# KiCad board SparkFun_GNSS_HAT+_panelized.kicad_pcb (continued)
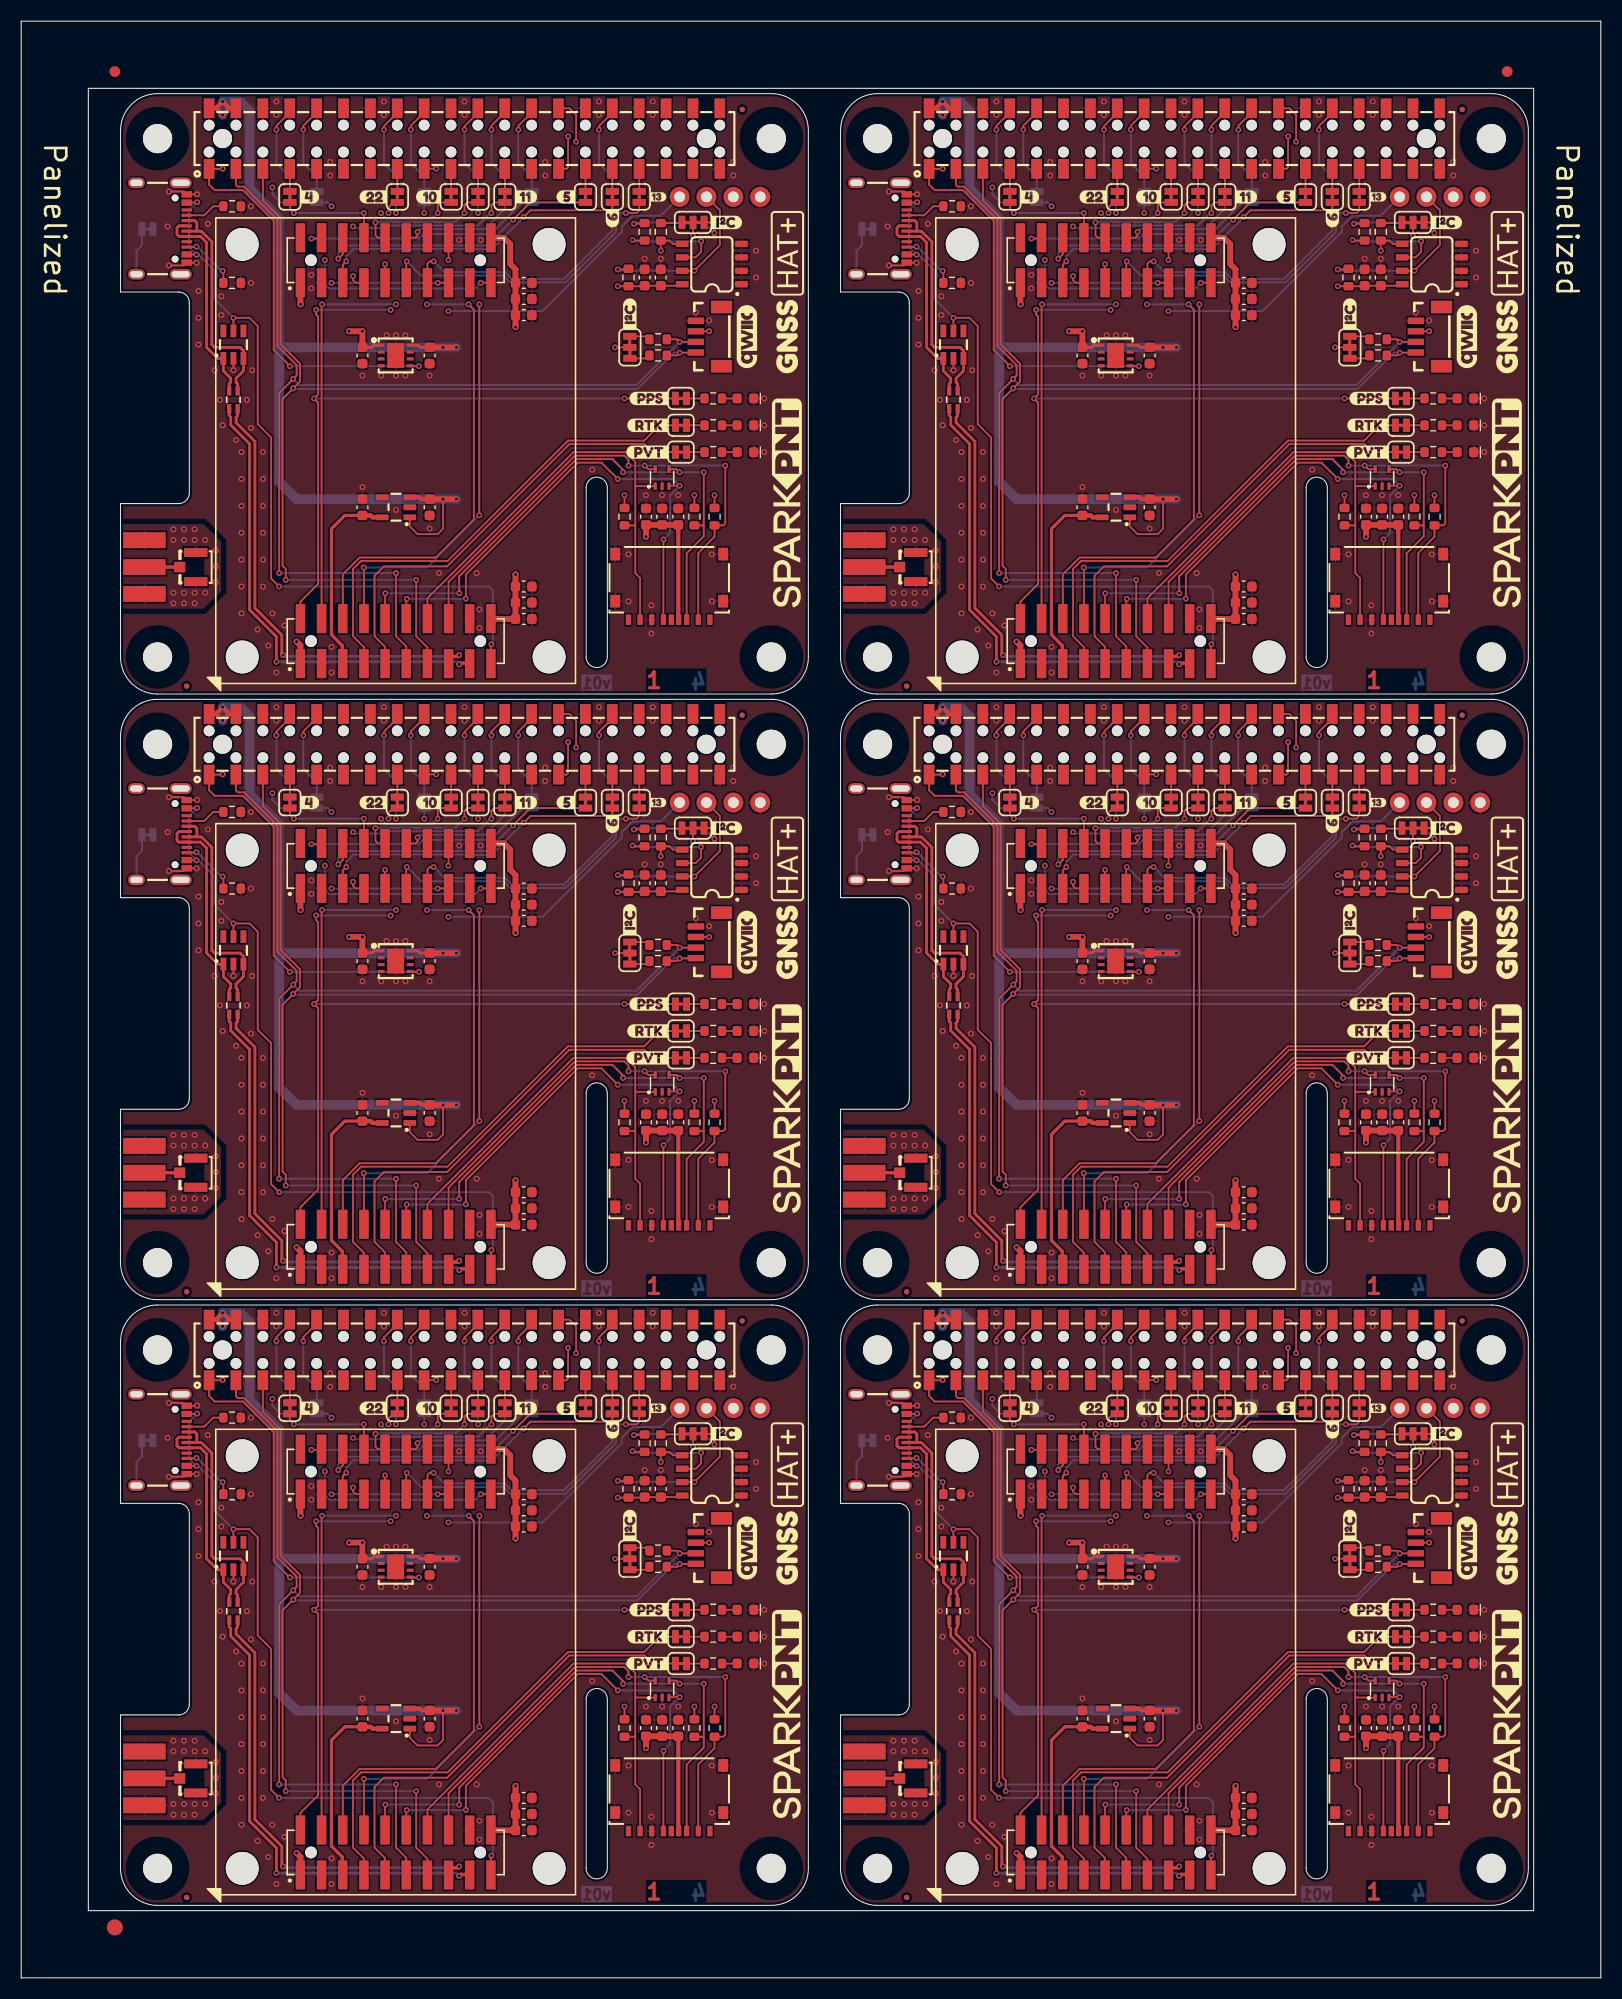
[diagram p0: board, top side]
## Routing (per net, layer and track width the routed paths; a pad name or vN(x,y) marks a point on that pad's centre or on a via; arc(x,y) is an arc through that point) (continued)
TXD1: length 119.1
  Top w0.178: v1(39.36,45.71) 39.38,45.73 J4#2.15 ; v1(39.36,102.96) 39.38,102.97 J4.15 ; v1(39.36,160.21) 39.38,160.22 J4#3.15 ; J4#6.15 107.41,102.97 v1(107.4,102.96) ; J4#4.15 107.41,160.22 v1(107.4,160.21) ; J4#5.15 107.41,45.73 v1(107.4,45.71)
  In2.Cu w0.178: v1(29.33,102.96) v1(29.33,110.2) ; v1(97.37,160.21) v1(97.37,167.45) ; v1(97.37,102.96) v1(97.37,110.2) ; v1(29.33,45.71) v1(29.33,52.95) ; v1(29.33,160.21) v1(29.33,167.45) ; v1(97.37,45.71) v1(97.37,52.95)
  Bottom w0.178: v1(39.36,45.71) v1(29.33,45.71) ; v1(97.37,167.45) 97,167.82 JP5#3.1 ; v1(29.33,52.95) 28.96,53.32 JP5#6.1 ; v1(107.4,102.96) v1(97.37,102.96) ; v1(107.4,45.71) v1(97.37,45.71) ; v1(39.36,102.96) v1(29.33,102.96) ; v1(107.4,160.21) v1(97.37,160.21) ; v1(97.37,52.95) 97,53.32 JP5#4.1 ; JP5#5.1 97,110.57 v1(97.37,110.2) ; JP5.1 28.96,110.57 v1(29.33,110.2) ; JP5#2.1 28.96,167.82 v1(29.33,167.45) ; v1(39.36,160.21) v1(29.33,160.21)
TXD2: length 78.9
  Top w0.178: J4#3.10 33.7,164.47 33.48,164.7 v1(33.48,165.93) ; v1(41.9,166.82) 41.9,167.58 42.14,167.82 JP15.2 ; v1(109.94,52.32) 109.94,53.08 110.18,53.32 JP15#6.2 ; v1(101.52,108.68) 101.52,107.45 101.74,107.22 J4#6.10 ; v1(33.48,108.68) 33.48,107.45 33.7,107.22 J4.10 ; v1(101.52,165.93) 101.52,164.7 101.74,164.47 J4#4.10 ; JP15#5.2 42.14,110.57 41.9,110.33 v1(41.9,109.57) ; J4#5.10 101.74,49.98 101.52,50.2 v1(101.52,51.43) ; JP15#2.2 110.18,110.57 109.94,110.33 v1(109.94,109.57) ; JP15#3.2 42.14,53.32 41.9,53.08 v1(41.9,52.32) ; v1(109.94,166.82) 109.94,167.58 110.18,167.82 JP15#4.2 ; J4#2.10 33.7,49.98 33.48,50.2 v1(33.48,51.43)
  Bottom w0.178: v1(41.9,166.82) 41.05,165.96 33.52,165.96 v1(33.48,165.93) ; v1(41.9,52.32) 41.05,51.46 33.52,51.46 v1(33.48,51.43) ; v1(101.52,51.43) 101.56,51.46 109.09,51.46 v1(109.94,52.32) ; v1(33.48,108.68) 33.52,108.71 41.05,108.71 v1(41.9,109.57) ; v1(109.94,166.82) 109.09,165.96 101.56,165.96 v1(101.52,165.93) ; v1(109.94,109.57) 109.09,108.71 101.56,108.71 v1(101.52,108.68)
TXD3: length 168.3
  Top w0.178: v1(98,162.5) 98.43,162.92 J4#4.6 ; JP11#2.2 48.11,53.32 v1(46.47,51.68) ; JP11#5.2 48.11,167.82 v1(46.47,166.18) ; JP11.2 116.15,53.32 v1(114.51,51.68) ; J4#3.6 30.39,162.92 v1(29.96,162.5) ; J4#6.6 98.43,105.67 v1(98,105.25) ; v1(114.51,166.18) 116.15,167.82 JP11#3.2 ; v1(29.96,105.25) 30.39,105.67 J4.6 ; JP11#6.2 116.15,110.57 v1(114.51,108.93) ; v1(29.96,48) 30.39,48.42 J4#2.6 ; J4#5.6 98.43,48.42 v1(98,48) ; v1(46.47,108.93) 48.11,110.57 JP11#4.2
  Bottom w0.178: v1(114.51,51.68) 112.09,49.25 111.1,49.25 111.08,49.27 111.07,49.25 98.91,49.25 98.89,49.27 98.77,49.27 98,48.51 v1(98,48) ; v1(46.47,166.18) 44.05,163.75 43.06,163.75 43.04,163.77 43.03,163.75 30.87,163.75 30.85,163.77 30.73,163.77 29.96,163.01 v1(29.96,162.5) ; v1(46.47,51.68) 44.05,49.25 43.06,49.25 43.04,49.27 43.03,49.25 30.87,49.25 30.85,49.27 30.73,49.27 29.96,48.51 v1(29.96,48) ; v1(98,162.5) 98,163.01 98.77,163.77 98.89,163.77 98.91,163.75 111.07,163.75 111.08,163.77 111.1,163.75 112.09,163.75 v1(114.51,166.18) ; v1(114.51,108.93) 112.09,106.5 111.1,106.5 111.08,106.52 111.07,106.5 98.91,106.5 98.89,106.52 98.77,106.52 98,105.76 v1(98,105.25) ; v1(29.96,105.25) 29.96,105.76 30.73,106.52 30.85,106.52 30.87,106.5 43.03,106.5 43.04,106.52 43.06,106.5 44.05,106.5 v1(46.47,108.93)
TXD4: length 175.2
  Top w0.178: v1(57.14,52.32) 58.16,52.32 58.41,52.57 JP19#3.2 ; v1(36.44,162.24) 36.39,162.19 J4#3.11 ; v1(125.18,166.82) 126.2,166.82 126.45,167.07 JP19#2.2 ; JP19#4.2 126.45,109.82 126.2,109.57 v1(125.18,109.57) ; v1(57.14,166.82) 58.16,166.82 58.41,167.07 JP19.2 ; J4.11 36.39,104.94 v1(36.44,104.99) ; v1(104.48,104.99) 104.43,104.94 J4#6.11 ; v1(57.14,109.57) 58.16,109.57 58.41,109.82 JP19#5.2 ; J4#4.11 104.43,162.19 v1(104.48,162.24) ; J4#2.11 36.39,47.69 v1(36.44,47.74) ; v1(125.18,52.32) 126.2,52.32 126.45,52.57 JP19#6.2 ; J4#5.11 104.43,47.69 v1(104.48,47.74)
  Bottom w0.178: v1(125.18,109.57) 124.67,109.57 124.24,109.13 124.24,107.78 119.48,103.01 114.25,103.01 113.62,103.65 105.83,103.65 v1(104.48,104.99) ; v1(36.44,47.74) 37.79,46.4 45.58,46.4 46.21,45.76 51.44,45.76 56.2,50.53 56.2,51.88 56.63,52.32 v1(57.14,52.32) ; v1(57.14,109.57) 56.63,109.57 56.2,109.13 56.2,107.78 51.44,103.01 46.21,103.01 45.58,103.65 37.79,103.65 v1(36.44,104.99) ; v1(104.48,162.24) 105.83,160.9 113.62,160.9 114.25,160.26 119.48,160.26 124.24,165.03 124.24,166.38 124.67,166.82 v1(125.18,166.82) ; v1(57.14,166.82) 56.63,166.82 56.2,166.38 56.2,165.03 51.44,160.26 46.21,160.26 45.58,160.9 37.79,160.9 v1(36.44,162.24) ; v1(104.48,47.74) 105.83,46.4 113.62,46.4 114.25,45.76 119.48,45.76 124.24,50.53 124.24,51.88 124.67,52.32 v1(125.18,52.32)
VBACKUP: length 111.4
  Top w0.305: J2#4.5 30.34,124.27 30.34,125.92 29.33,126.94 29.33,136.97 30.59,138.23 C5#6.2 ; C5#4.2 30.59,23.73 29.33,22.47 29.33,12.44 30.34,11.42 30.34,9.77 J2#3.5 ; C5#2.2 98.63,23.73 97.37,22.47 97.37,12.44 98.38,11.42 98.38,9.77 J2#6.5 ; C5#5.2 30.59,80.98 29.33,79.72 29.33,69.69 30.34,68.67 30.34,67.02 30.39,66.98 ; 98.43,66.98 98.38,67.02 98.38,68.67 97.37,69.69 97.37,79.72 98.63,80.98 C5#3.2 ; J2.5 98.38,124.27 98.38,125.92 97.37,126.94 97.37,136.97 98.63,138.23 C5.2
  Top w0.406: U3#6.5 101.24,23.55 101.06,23.73 C5#2.2 ; C5#3.2 101.06,80.98 101.24,80.8 U3#3.5 ; C5#5.2 33.03,80.98 33.2,80.8 U3#2.5 ; 102.16,138.05 101.24,138.05 101.06,138.23 C5.2 ; U3#5.5 33.2,23.55 33.03,23.73 C5#4.2 ; C5#6.2 33.03,138.23 33.2,138.05 34.12,138.05
VUSB: length 429.9
  Top w0.178: 44.39,124.23 44.39,126 v1(44.44,126.05) ; D1#3.5 v1(20.06,99.66) 21.58,99.66 22.36,98.88 22.36,89.61 23.61,88.36 23.61,75.02 v1(24.38,74.26) ; J2#3.19 44.39,11.5 v1(44.44,11.55) ; D1#2.5 v1(20.06,156.91) 21.58,156.91 22.36,156.13 22.36,146.86 23.61,145.61 23.61,132.27 v1(24.38,131.51) ; J6#2.VBUS 84.59,162.9 v1(84.61,162.88) ; J6#6.VBUS 16.6,110.55 v1(16.63,110.58) ; v1(84.67,167.83) 84.64,167.8 J6#2.VBUS ; J6#3.VBUS 84.64,53.3 v1(84.67,53.33) ; v1(92.42,131.51) 91.65,132.27 91.65,145.61 90.4,146.86 90.4,156.13 89.62,156.91 v1(88.1,156.91) D1#4.5 ; v1(92.42,17.01) 91.65,17.77 91.65,31.11 90.4,32.36 90.4,41.63 89.62,42.41 v1(88.1,42.41) D1#5.5 ; v1(112.48,126.05) 112.43,126 112.43,124.23 ; 44.39,66.98 44.39,68.75 v1(44.44,68.8) ; J6#6.VBUS 16.55,105.65 v1(16.57,105.63) ; v1(112.48,11.55) 112.43,11.5 J2#6.19 ; J6#4.VBUS 84.59,105.65 v1(84.61,105.63) ; v1(112.48,68.8) 112.43,68.75 112.43,66.98 ; v1(84.67,110.58) 84.64,110.55 J6#4.VBUS ; v1(16.57,48.38) 16.55,48.4 J6#5.VBUS ; v1(16.63,167.83) 16.6,167.8 J6.VBUS ; D1#6.5 v1(88.1,99.66) 89.62,99.66 90.4,98.88 90.4,89.61 91.65,88.36 91.65,75.02 v1(92.42,74.26) ; J6.VBUS 16.55,162.9 v1(16.57,162.88) ; J6#5.VBUS 16.6,53.3 v1(16.63,53.33) ; v1(24.38,17.01) 23.61,17.77 23.61,31.11 22.36,32.36 22.36,41.63 21.58,42.41 v1(20.06,42.41) D1.5 ; v1(84.61,48.38) 84.59,48.4 J6#3.VBUS
  Bottom w0.178: v1(112.48,126.05) 112.61,126.18 112.61,131.13 112.23,131.51 v1(92.42,131.51) ; v1(112.48,11.55) 112.61,11.68 112.61,16.63 112.23,17.01 v1(92.42,17.01) ; v1(20.06,99.66) 18.28,101.44 18.28,104.11 16.76,105.63 v1(16.57,105.63) 15.87,106.33 15.87,109.82 v1(16.63,110.58) ; v1(44.44,68.8) 44.57,68.93 44.57,73.88 44.19,74.26 v1(24.38,74.26) ; v1(88.1,99.66) 86.32,101.44 86.32,104.11 84.8,105.63 v1(84.61,105.63) 83.91,106.33 83.91,109.82 v1(84.67,110.58) ; v1(84.67,53.33) 83.91,52.57 83.91,49.08 v1(84.61,48.38) 84.8,48.38 86.32,46.86 86.32,44.19 v1(88.1,42.41) ; v1(84.67,167.83) 83.91,167.07 83.91,163.58 v1(84.61,162.88) 84.8,162.88 86.32,161.36 86.32,158.69 v1(88.1,156.91) ; v1(20.06,156.91) 18.28,158.69 18.28,161.36 16.76,162.88 v1(16.57,162.88) 15.87,163.58 15.87,167.07 v1(16.63,167.83) ; v1(44.44,126.05) 44.57,126.18 44.57,131.13 44.19,131.51 v1(24.38,131.51) ; v1(44.44,11.55) 44.57,11.68 44.57,16.63 44.19,17.01 v1(24.38,17.01) ; v1(20.06,42.41) 18.28,44.19 18.28,46.86 16.76,48.38 v1(16.57,48.38) 15.87,49.08 15.87,52.57 v1(16.63,53.33) ; v1(112.48,68.8) 112.61,68.93 112.61,73.88 112.23,74.26 v1(92.42,74.26)
Net-(D1-I/O1): length 120.5
  Top w0.267: J6#4.A6 82.94,108.35 82.76,108.17 82.76,107.53 82.95,107.35 J6#4.B6 84.98,107.35 85.56,106.77 85.56,96.87 86.6,95.82 D1#6.1 87.15,94.64 87.84,93.94 87.84,93.56 87.7,93.42 TR1#6.3 ; TR1#5.3 19.66,93.42 19.8,93.56 19.8,93.94 19.11,94.64 D1#3.1 18.56,95.82 17.52,96.87 17.52,106.77 16.94,107.35 J6#6.B6 14.91,107.35 14.72,107.53 14.72,108.17 14.9,108.35 J6#6.A6 ; TR1#4.3 19.66,150.67 19.8,150.81 19.8,151.19 19.11,151.89 D1#2.1 18.56,153.07 17.52,154.12 17.52,164.02 16.94,164.6 J6.B6 14.91,164.6 14.72,164.78 14.72,165.42 14.9,165.6 J6.A6 ; TR1#3.3 87.7,150.67 87.84,150.81 87.84,151.19 87.15,151.89 D1#4.1 86.6,153.07 85.56,154.12 85.56,164.02 84.98,164.6 J6#2.B6 82.95,164.6 82.76,164.78 82.76,165.42 82.94,165.6 J6#2.A6 ; 87.7,35.51 87.7,36.17 87.84,36.31 87.84,36.7 87.15,37.39 D1#5.1 86.6,38.57 85.56,39.62 85.56,49.52 84.98,50.1 J6#3.B6 82.95,50.1 82.76,50.28 82.76,50.92 82.94,51.1 J6#3.A6 ; J6#5.A6 14.9,51.1 14.72,50.92 14.72,50.28 14.91,50.1 J6#5.B6 16.94,50.1 17.52,49.52 17.52,39.62 18.56,38.57 D1.1 19.11,37.39 19.8,36.7 19.8,36.31 19.66,36.17 19.66,35.51
Net-(D1-I/O2): length 130.4
  Top w0.267: TR1#4.1 20.46,150.67 20.31,150.81 20.31,151.19 21.01,151.89 D1#2.3 21.01,153.8 20.69,154.12 18.28,154.12 18.03,154.37 18.03,164.11 17.03,165.1 16.63,165.1 ; TR1#3.1 88.5,150.67 88.35,150.81 88.35,151.19 89.05,151.89 D1#4.3 89.05,153.8 88.73,154.12 86.32,154.12 86.07,154.37 86.07,164.11 85.07,165.1 84.67,165.1 ; J6#5.B7 16.41,51.6 16.6,51.41 16.6,50.63 16.63,50.6 ; 20.46,35.51 20.46,36.17 20.31,36.31 20.31,36.7 21.01,37.39 D1.3 21.01,39.3 20.69,39.62 18.28,39.62 18.03,39.87 18.03,49.61 17.03,50.6 16.63,50.6 ; 16.63,50.6 J6#5.A7 ; J6#4.B7 84.45,108.85 84.64,108.66 84.64,107.88 84.67,107.85 ; 16.63,107.85 J6#6.A7 ; 16.63,107.85 16.6,107.88 16.6,108.66 16.41,108.85 J6#6.B7 ; 16.63,107.85 17.03,107.85 18.03,106.86 18.03,97.12 18.28,96.87 20.69,96.87 21.01,96.55 D1#3.3 21.01,94.64 20.31,93.94 20.31,93.56 20.46,93.42 TR1#5.1 ; 84.67,107.85 85.07,107.85 86.07,106.86 86.07,97.12 86.32,96.87 88.73,96.87 89.05,96.55 D1#6.3 89.05,94.64 88.35,93.94 88.35,93.56 88.5,93.42 TR1#6.1 ; 84.67,107.85 J6#4.A7 ; J6.B7 16.41,166.1 16.6,165.91 16.6,165.13 16.63,165.1 ; 84.67,50.6 85.07,50.6 86.07,49.61 86.07,39.87 86.32,39.62 88.73,39.62 89.05,39.3 D1#5.3 89.05,37.39 88.35,36.7 88.35,36.31 88.5,36.17 88.5,35.51 ; 84.67,50.6 84.64,50.63 84.64,51.41 84.45,51.6 J6#3.B7 ; 84.67,50.6 J6#3.A7 ; 84.67,165.1 84.64,165.13 84.64,165.91 84.45,166.1 J6#2.B7 ; 84.67,165.1 J6#2.A7 ; 16.63,165.1 J6.A7
Net-(D3-A): length 8.6
  Top w0.178: D3#5.2 R11#3.1 ; D3.2 R11#4.1 ; D3#4.2 R11#5.1 ; D3#6.2 R11.1 ; D3#3.2 R11#6.1 ; D3#2.2 R11#2.1
Net-(D4-A): length 8.6
  Top w0.178: D4.2 R12#5.1 ; D4#2.2 R12#3.1 ; D4#5.2 R12#4.1 ; D4#3.2 R12#2.1 ; D4#4.2 R12.1 ; D4#6.2 R12#6.1
Net-(D5-A): length 8.6
  Top w0.178: D5#3.2 R13#5.1 ; D5#4.2 R13#6.1 ; D5.2 R13#3.1 ; D5#5.2 R13.1 ; D5#6.2 R13#2.1 ; D5#2.2 R13#4.1
Net-(J1-GCLK0/GPIO4): length 12.8
  Top w0.178: J1.7 25.39,113.72 JP10#3.1 ; J1#5.7 93.43,170.97 JP10#5.1 ; JP10#6.1 93.43,56.47 J1#3.7 ; J1#2.7 25.39,170.97 JP10.1 ; JP10#2.1 93.43,113.72 J1#6.7 ; J1#4.7 25.39,56.47 JP10#4.1
Net-(J1-GCLK1/GPIO5): length 12.8
  Top w0.178: JP11#6.1 121.37,113.72 J1#6.29 ; J1#2.29 53.33,170.97 JP11#5.1 ; JP11#3.1 121.37,170.97 J1#5.29 ; JP11#4.1 53.33,113.72 J1.29 ; JP11.1 121.37,56.47 J1#3.29 ; J1#4.29 53.33,56.47 JP11#2.1
Net-(J1-GCLK2/GPIO6): length 12.8
  Top w0.178: JP12#4.1 123.91,113.72 J1#6.31 ; J1#5.31 123.91,170.97 JP12#6.1 ; JP12#5.1 123.91,56.47 J1#3.31 ; J1#2.31 55.87,170.97 JP12.1 ; J1#4.31 55.87,56.47 JP12#2.1 ; J1.31 55.87,113.72 JP12#3.1
Net-(J1-GPIO14/TXD): length 53.4
  Top w0.178: J1#2.8 25.38,176.33 24.12,175.07 v1(24.12,174.69) ; J1.8 25.38,119.08 24.12,117.82 v1(24.12,117.44) ; J1#5.8 93.42,176.33 92.16,175.07 v1(92.16,174.69) ; v1(92.16,117.44) 92.16,117.82 93.42,119.08 J1#6.8 ; v1(24.12,60.19) 24.12,60.57 25.38,61.83 J1#4.8 ; v1(92.16,60.19) 92.16,60.57 93.42,61.83 J1#3.8
  Bottom w0.178: v1(92.16,117.44) 92.16,114.27 93.43,113 JP4#2.2 ; v1(92.16,60.19) 92.16,57.02 93.43,55.75 JP4.2 ; v1(24.12,174.69) 24.12,171.51 25.39,170.25 JP4#4.2 ; v1(24.12,60.19) 24.12,57.02 25.39,55.75 JP4#5.2 ; JP4#6.2 25.39,113 24.12,114.27 v1(24.12,117.44) ; v1(92.16,174.69) 92.16,171.51 93.43,170.25 JP4#3.2
Net-(J1-GPIO15/RXD): length 53.4
  Top w0.178: J1#3.10 95.96,61.83 94.7,60.57 v1(94.7,60.19) ; J1#4.10 27.92,61.83 26.66,60.57 v1(26.66,60.19) ; J1#2.10 27.92,176.33 26.66,175.07 v1(26.66,174.69) ; J1#5.10 95.96,176.33 94.7,175.07 v1(94.7,174.69) ; J1#6.10 95.96,119.08 94.7,117.82 v1(94.7,117.44) ; J1.10 27.92,119.08 26.66,117.82 v1(26.66,117.44)
  Bottom w0.178: JP5.2 27.93,113 26.66,114.27 v1(26.66,117.44) ; v1(26.66,174.69) 26.66,171.51 27.93,170.25 JP5#2.2 ; v1(26.66,60.19) 26.66,57.02 27.93,55.75 JP5#6.2 ; JP5#4.2 95.97,55.75 94.7,57.02 v1(94.7,60.19) ; v1(94.7,174.69) 94.7,171.51 95.97,170.25 JP5#3.2 ; JP5#5.2 95.97,113 94.7,114.27 v1(94.7,117.44)
Net-(J1-GPIO22): length 12.8
  Top w0.178: J1#2.15 35.55,170.97 JP6#3.2 ; JP6.2 103.59,113.72 J1#6.15 ; JP6#4.2 103.59,56.47 J1#3.15 ; JP6#6.2 35.55,56.47 J1#4.15 ; J1#5.15 103.59,170.97 JP6#2.2 ; J1.15 35.55,113.72 JP6#5.2
Net-(J1-GPIO23): length 53.4
  Top w0.178: J1#5.16 103.58,176.29 102.32,175.03 v1(102.32,174.69) ; J1#4.16 35.54,61.79 34.28,60.53 v1(34.28,60.19) ; v1(34.28,174.69) 34.28,175.03 35.54,176.29 J1#2.16 ; J1#3.16 103.58,61.79 102.32,60.53 v1(102.32,60.19) ; v1(34.28,117.44) 34.28,117.78 35.54,119.04 J1.16 ; v1(102.32,117.44) 102.32,117.78 103.58,119.04 J1#6.16
  Bottom w0.178: v1(102.32,60.19) 102.32,57.02 103.59,55.75 JP7#2.2 ; v1(102.32,117.44) 102.32,114.27 103.59,113 JP7#5.2 ; JP7#6.2 35.55,55.75 34.28,57.02 v1(34.28,60.19) ; JP7#4.2 103.59,170.25 102.32,171.51 v1(102.32,174.69) ; v1(34.28,174.69) 34.28,171.51 35.55,170.25 JP7#3.2 ; v1(34.28,117.44) 34.28,114.27 35.55,113 JP7.2
Net-(J1-GPIO24): length 53.4
  Top w0.178: v1(104.86,174.69) 104.86,175.07 106.12,176.33 J1#5.18 ; v1(36.82,174.69) 36.82,175.07 38.08,176.33 J1#2.18 ; J1#4.18 38.08,61.83 36.82,60.57 v1(36.82,60.19) ; v1(104.86,60.19) 104.86,60.57 106.12,61.83 J1#3.18 ; J1#6.18 106.12,119.08 104.86,117.82 v1(104.86,117.44) ; v1(36.82,117.44) 36.82,117.82 38.08,119.08 J1.18
  Bottom w0.178: JP8#3.2 106.13,113 104.86,114.27 v1(104.86,117.44) ; JP8.2 38.09,170.25 36.82,171.51 v1(36.82,174.69) ; v1(36.82,117.44) 36.82,114.27 38.09,113 JP8#2.2 ; v1(104.86,174.69) 104.86,171.51 106.13,170.25 JP8#4.2 ; v1(36.82,60.19) 36.82,57.02 38.09,55.75 JP8#6.2 ; JP8#5.2 106.13,55.75 104.86,57.02 v1(104.86,60.19)
Net-(J1-GPIO25): length 53.4
  Top w0.178: J1#5.22 111.2,176.29 109.94,175.03 v1(109.94,174.69) ; J1#6.22 111.2,119.04 109.94,117.78 v1(109.94,117.44) ; v1(41.9,174.69) 41.9,175.03 43.16,176.29 J1#2.22 ; v1(41.9,60.19) 41.9,60.53 43.16,61.79 J1#4.22 ; J1.22 43.16,119.04 41.9,117.78 v1(41.9,117.44) ; v1(109.94,60.19) 109.94,60.53 111.2,61.79 J1#3.22
  Bottom w0.178: JP9#5.2 111.21,170.25 109.94,171.51 v1(109.94,174.69) ; JP9#3.2 111.21,55.75 109.94,57.02 v1(109.94,60.19) ; v1(41.9,117.44) 41.9,114.27 43.17,113 JP9#4.2 ; v1(41.9,174.69) 41.9,171.51 43.17,170.25 JP9#2.2 ; JP9.2 111.21,113 109.94,114.27 v1(109.94,117.44) ; JP9#6.2 43.17,55.75 41.9,57.02 v1(41.9,60.19)
Net-(J1-PICO0/GPIO10): length 12.8
  Top w0.178: J1#2.19 40.63,170.97 JP16.1 ; JP16#5.1 108.67,113.72 J1#6.19 ; JP16#4.1 40.63,113.72 J1.19 ; JP16#2.1 108.67,56.47 J1#3.19 ; JP16#3.1 40.63,56.47 J1#4.19 ; JP16#6.1 108.67,170.97 J1#5.19
Net-(J1-POCI0/GPIO9): length 12.8
  Top w0.178: J1#5.21 111.21,170.97 JP15#4.1 ; J1#4.21 43.17,56.47 JP15#3.1 ; J1#3.21 111.21,56.47 JP15#6.1 ; J1#6.21 111.21,113.72 JP15#2.1 ; J1#2.21 43.17,170.97 JP15.1 ; JP15#5.1 43.17,113.72 J1.21
Net-(J1-PWM0/GPIO12): length 53.4
  Top w0.178: v1(54.6,117.44) 54.6,117.78 55.86,119.04 J1.32 ; v1(54.6,174.69) 54.6,175.03 55.86,176.29 J1#2.32 ; J1#5.32 123.9,176.29 122.64,175.03 v1(122.64,174.69) ; v1(122.64,60.19) 122.64,60.53 123.9,61.79 J1#3.32 ; v1(54.6,60.19) 54.6,60.53 55.86,61.79 J1#4.32 ; v1(122.64,117.44) 122.64,117.78 123.9,119.04 J1#6.32
  Bottom w0.178: JP18#6.1 123.91,113 122.64,114.27 v1(122.64,117.44) ; v1(54.6,117.44) 54.6,114.27 55.87,113 JP18#3.1 ; v1(122.64,60.19) 122.64,57.02 123.91,55.75 JP18.1 ; JP18#4.1 55.87,55.75 54.6,57.02 v1(54.6,60.19) ; JP18#5.1 55.87,170.25 54.6,171.51 v1(54.6,174.69) ; JP18#2.1 123.91,170.25 122.64,171.51 v1(122.64,174.69)
Net-(J1-PWM1/GPIO13): length 12.8
  Top w0.178: J1#4.33 58.41,56.47 JP19#3.1 ; J1#6.33 126.45,113.72 JP19#4.1 ; J1#3.33 126.45,56.47 JP19#6.1 ; J1.33 58.41,113.72 JP19#5.1 ; JP19#2.1 126.45,170.97 J1#5.33 ; J1#2.33 58.41,170.97 JP19.1
Net-(J1-SCLK0/GPIO11): length 12.8
  Top w0.178: JP17#5.1 113.75,113.72 J1#6.23 ; JP17.1 113.75,56.47 J1#3.23 ; J1#4.23 45.71,56.47 JP17#2.1 ; JP17#6.1 113.75,170.97 J1#5.23 ; J1.23 45.71,113.72 JP17#4.1 ; JP17#3.1 45.71,170.97 J1#2.23
Net-(J1-~{CE0}/GPIO8): length 53.4
  Top w0.178: J1#5.24 113.74,176.33 112.48,175.07 v1(112.48,174.69) ; J1#4.24 45.7,61.83 44.44,60.57 v1(44.44,60.19) ; v1(44.44,117.44) 44.44,117.82 45.7,119.08 J1.24 ; J1#6.24 113.74,119.08 112.48,117.82 v1(112.48,117.44) ; v1(44.44,174.69) 44.44,175.07 45.7,176.33 J1#2.24 ; v1(112.48,60.19) 112.48,60.57 113.74,61.83 J1#3.24
  Bottom w0.178: v1(44.44,174.69) 44.44,171.51 45.71,170.25 JP14#3.1 ; v1(112.48,60.19) 112.48,57.02 113.75,55.75 JP14#6.1 ; JP14#2.1 113.75,170.25 112.48,171.51 v1(112.48,174.69) ; v1(112.48,117.44) 112.48,114.27 113.75,113 JP14#4.1 ; v1(44.44,60.19) 44.44,57.02 45.71,55.75 JP14#5.1 ; JP14.1 45.71,113 44.44,114.27 v1(44.44,117.44)
Net-(J1-~{CE1}/GPIO7): length 53.4
  Top w0.178: v1(46.98,174.69) 46.98,175.07 48.24,176.33 J1#2.26 ; v1(46.98,60.19) 46.98,60.57 48.24,61.83 J1#4.26 ; J1#5.26 116.28,176.33 115.02,175.07 v1(115.02,174.69) ; J1#6.26 116.28,119.08 115.02,117.82 v1(115.02,117.44) ; J1.26 48.24,119.08 46.98,117.82 v1(46.98,117.44) ; J1#3.26 116.28,61.83 115.02,60.57 v1(115.02,60.19)
  Bottom w0.178: JP13#6.1 116.29,55.75 115.02,57.02 v1(115.02,60.19) ; v1(115.02,117.44) 115.02,114.27 116.29,113 JP13#5.1 ; JP13.1 116.29,170.25 115.02,171.51 v1(115.02,174.69) ; JP13#2.1 48.25,55.75 46.98,57.02 v1(46.98,60.19) ; JP13#4.1 48.25,170.25 46.98,171.51 v1(46.98,174.69) ; v1(46.98,117.44) 46.98,114.27 48.25,113 JP13#3.1
Net-(J3-In): length 20
  Top w0.33: J3#4.1 J7#3.1 ; J3#6.1 J7#6.1 ; J3#5.1 J7#2.1 ; J3.1 J7#5.1 ; J3#3.1 J7#4.1 ; J3#2.1 J7.1
Net-(J4-Pin_2-Pad16): length 201.3
  Top w0.178: v1(40.38,162.37) 40.39,162.38 J4#3.16 ; v1(40.38,47.87) 40.39,47.88 J4#2.16 ; J4.16 40.39,105.13 v1(40.38,105.12) ; J4#5.16 108.43,47.88 v1(108.42,47.87) ; J4#4.16 108.43,162.38 v1(108.42,162.37) ; v1(108.42,105.12) 108.43,105.13 J4#6.16
  In2.Cu w0.178: v1(108.42,157.55) v1(108.42,162.37) ; v1(40.38,43.05) v1(40.38,47.87) ; v1(108.42,100.3) v1(108.42,105.12) ; v1(108.42,43.05) v1(108.42,47.87) ; v1(40.38,105.12) v1(40.38,100.3) ; v1(40.38,162.37) v1(40.38,157.55)
  Bottom w0.178: RST.1#4.1 60.44,109.31 57.78,109.31 56.76,108.3 56.76,107.79 49.27,100.3 v1(40.38,100.3) ; v1(108.42,157.55) 117.31,157.55 124.8,165.04 124.8,165.55 125.82,166.56 128.48,166.56 RST.1#2.1 ; RST.1#6.1 60.44,52.06 57.78,52.06 56.76,51.05 56.76,50.54 49.27,43.05 v1(40.38,43.05) ; RST.1#3.1 128.48,109.31 125.82,109.31 124.8,108.3 124.8,107.79 117.31,100.3 v1(108.42,100.3) ; RST.1#5.1 60.44,166.56 57.78,166.56 56.76,165.55 56.76,165.04 49.27,157.55 v1(40.38,157.55) ; RST.1.1 128.48,52.06 125.82,52.06 124.8,51.05 124.8,50.54 117.31,43.05 v1(108.42,43.05)
Net-(J6-CC1): length 22.9
  Top w0.178: R9.2 86.19,110.2 85.34,109.35 J6#4.A5 ; J6.A5 17.3,166.6 18.15,167.45 R9#6.2 ; R9#5.2 86.19,167.45 85.34,166.6 J6#2.A5 ; J6#5.A5 17.3,52.1 18.15,52.95 R9#4.2 ; J6#3.A5 85.34,52.1 86.19,52.95 R9#2.2 ; J6#6.A5 17.3,109.35 18.15,110.2 R9#3.2
Net-(J6-CC2): length 33.2
  Top w0.178: v1(87.08,46.86) 87.15,46.79 R10#2.2 ; R10#4.2 87.15,104.04 v1(87.08,104.11) ; J6.B5 16.53,163.6 v1(16.57,163.64) ; J6#4.B5 84.57,106.35 v1(84.61,106.39) ; v1(19.04,104.11) 19.11,104.04 R10#3.2 ; R10.2 19.11,161.29 v1(19.04,161.36) ; v1(84.61,49.14) 84.57,49.1 J6#3.B5 ; v1(87.08,161.36) 87.15,161.29 R10#5.2 ; v1(84.61,163.64) 84.57,163.6 J6#2.B5 ; J6#5.B5 16.53,49.1 v1(16.57,49.14) ; v1(16.57,106.39) 16.53,106.35 J6#6.B5 ; v1(19.04,46.86) 19.11,46.79 R10#6.2
  Bottom w0.178: v1(16.57,106.39) 16.63,106.39 18.91,104.11 v1(19.04,104.11) ; v1(87.08,161.36) 86.95,161.36 84.67,163.64 v1(84.61,163.64) ; v1(87.08,104.11) 86.95,104.11 84.67,106.39 v1(84.61,106.39) ; v1(84.61,49.14) 84.67,49.14 86.95,46.86 v1(87.08,46.86) ; v1(19.04,161.36) 18.91,161.36 16.63,163.64 v1(16.57,163.64) ; v1(16.57,49.14) 16.63,49.14 18.91,46.86 v1(19.04,46.86)
Net-(J6-SHIELD): length 26.8
  Bottom w0.178: JP3#6.2 11.41,163.76 10.89,163.24 J6.S ; J6#2.S 78.94,163.24 79.45,163.76 JP3#2.2 ; J6#5.S 10.89,48.74 11.41,49.26 JP3#3.2 ; JP3#5.2 79.45,49.26 78.94,48.74 J6#3.S ; JP3.2 79.45,106.51 78.94,105.99 J6#4.S ; J6#6.S 10.89,105.99 11.41,106.51 JP3#4.2
Net-(JP1-A): length 11.7
  Top w0.178: JP1#3.1 59.09,95.82 59.36,96.1 ; 59.36,153.35 59.09,153.07 JP1#2.1 ; R5.2 127.13,153.07 JP1#4.1 ; R5#5.2 127.13,38.57 JP1#5.1 ; JP1#6.1 127.13,95.82 R5#4.2 ; JP1.1 59.09,38.57 59.36,38.85
Net-(JP1-C): length 11.7
  Top w0.178: R4#3.2 127.13,97.91 JP1#6.3 ; R4#2.2 127.13,155.16 JP1#4.3 ; JP1#5.3 127.13,40.66 R4#5.2 ; JP1.3 59.09,40.66 59.36,40.38 ; JP1#3.3 59.09,97.91 59.36,97.63 ; 59.36,154.88 59.09,155.16 JP1#2.3
Net-(JP2-A): length 65.4
  Top w0.178: 126.96,165.86 126.9,165.8 v1(125.94,165.8) ; JP2#2.1 133.18,165.93 133.55,165.56 v1(133.55,164.91) ; R1#4.2 58.86,51.3 v1(57.9,51.3) ; JP2#4.1 65.14,51.43 65.51,51.06 v1(65.51,50.41) ; v1(133.55,50.41) 133.55,51.06 133.18,51.43 JP2.1 ; JP2#6.1 65.14,108.68 65.51,108.31 v1(65.51,107.66) ; v1(57.9,108.55) 58.86,108.55 R1#6.2 ; v1(125.94,51.3) 126.9,51.3 R1#3.2 ; v1(125.94,108.55) 126.9,108.55 R1.2 ; JP2#3.1 65.14,165.93 65.51,165.56 v1(65.51,164.91) ; v1(57.9,165.8) 58.86,165.8 58.92,165.86 ; JP2#5.1 133.18,108.68 133.55,108.31 v1(133.55,107.66)
  Bottom w0.178: v1(57.9,51.3) 58.03,51.43 64.49,51.43 v1(65.51,50.41) ; v1(133.55,164.91) 132.53,165.93 126.07,165.93 v1(125.94,165.8) ; v1(125.94,108.55) 126.07,108.68 132.53,108.68 v1(133.55,107.66) ; v1(65.51,164.91) 64.49,165.93 58.03,165.93 v1(57.9,165.8) ; v1(133.55,50.41) 132.53,51.43 126.07,51.43 v1(125.94,51.3) ; v1(65.51,107.66) 64.49,108.68 58.03,108.68 v1(57.9,108.55)
Net-(JP2-C): length 12.2
  Top w0.178: JP2#3.3 62.39,165.86 60.44,165.86 ; R2#4.2 130.43,108.61 JP2#5.3 ; JP2#4.3 62.39,51.36 R2#5.2 ; JP2.3 130.43,51.36 R2#3.2 ; 128.48,165.86 130.43,165.86 JP2#2.3 ; JP2#6.3 62.39,108.61 R2#6.2
Net-(JP20-B): length 10.2
  Top w0.178: R11#3.2 JP20#5.2 ; R11#2.2 JP20#2.2 ; R11#5.2 JP20#3.2 ; R11#4.2 JP20#4.2 ; R11#6.2 JP20.2 ; R11.2 JP20#6.2
Net-(JP21-B): length 10.2
  Top w0.178: R12#3.2 JP21#4.2 ; R12#4.2 JP21#2.2 ; R12#5.2 JP21#6.2 ; R12#6.2 JP21.2 ; R12.2 JP21#5.2 ; R12#2.2 JP21#3.2
Net-(JP22-B): length 10.2
  Top w0.178: R13#2.2 JP22#2.2 ; R13.2 JP22#6.2 ; R13#3.2 JP22.2 ; R13#4.2 JP22#4.2 ; R13#5.2 JP22#5.2 ; R13#6.2 JP22#3.2
Net-(U1-WP): length 108
  Top w0.178: v1(124.42,161.48) 125.37,161.48 R3#3.1 ; v1(56.38,104.23) 57.33,104.23 R3#2.1 ; WP.1#4.1 134.07,109.82 134.07,106.52 v1(131.66,104.11) 130.51,104.11 ; R3.1 57.33,161.48 v1(56.38,161.48) ; U1#5.7 v1(63.62,161.36) 66.03,163.77 66.03,167.07 WP.1#3.1 ; R3#5.1 125.37,46.98 v1(124.42,46.98) ; R3#6.1 57.33,46.98 v1(56.38,46.98) ; U1#3.7 v1(63.62,46.86) 66.03,49.27 66.03,52.57 WP.1.1 ; U1#2.7 v1(131.66,161.36) 134.07,163.77 134.07,167.07 WP.1#2.1 ; 62.47,104.11 v1(63.62,104.11) 66.03,106.52 66.03,109.82 WP.1#6.1 ; U1#6.7 v1(131.66,46.86) 134.07,49.27 134.07,52.57 WP.1#5.1 ; R3#4.1 125.37,104.23 v1(124.42,104.23)
  Bottom w0.178: v1(63.62,104.11) 56.51,104.11 v1(56.38,104.23) ; v1(131.66,161.36) 124.55,161.36 v1(124.42,161.48) ; v1(63.62,46.86) 56.51,46.86 v1(56.38,46.98) ; v1(131.66,46.86) 124.55,46.86 v1(124.42,46.98) ; v1(131.66,104.11) 124.55,104.11 v1(124.42,104.23) ; v1(56.38,161.48) 56.51,161.36 v1(63.62,161.36)

## Copper pours and planes (outline as drawn; the poured copper is in the pictures)
3.3V on In2.Cu: 9.39,6.85 9.39,63.6 74.39,63.6 74.39,6.85
3.3V on In2.Cu: 9.39,64.1 9.39,120.85 74.39,120.85 74.39,64.1
3.3V on In2.Cu: 77.43,121.35 77.43,178.1 142.43,178.1 142.43,121.35
3.3V on In2.Cu: 9.39,121.35 9.39,178.1 74.39,178.1 74.39,121.35
3.3V on In2.Cu: 77.43,6.85 77.43,63.6 142.43,63.6 142.43,6.85
3.3V on In2.Cu: 77.43,64.1 77.43,120.85 142.43,120.85 142.43,64.1
GND on Top, Bottom, In1.Cu: 77.43,121.35 77.43,178.1 142.43,178.1 142.43,121.35
GND on Top, Bottom, In1.Cu: 9.39,6.85 9.39,63.6 74.39,63.6 74.39,6.85
GND on Top, Bottom, In1.Cu: 9.39,121.35 9.39,178.1 74.39,178.1 74.39,121.35
